# Altium PCB FOB.PcbDoc
Units mm, origin at the board's own origin, x right, y up, seen from the top; angles counter-clockwise.
Board outline 54.5 x 46.1 mm, 2 copper layers (Top Layer, Bottom Layer); 50 components, 55 nets, 221 pads, 214 vias.
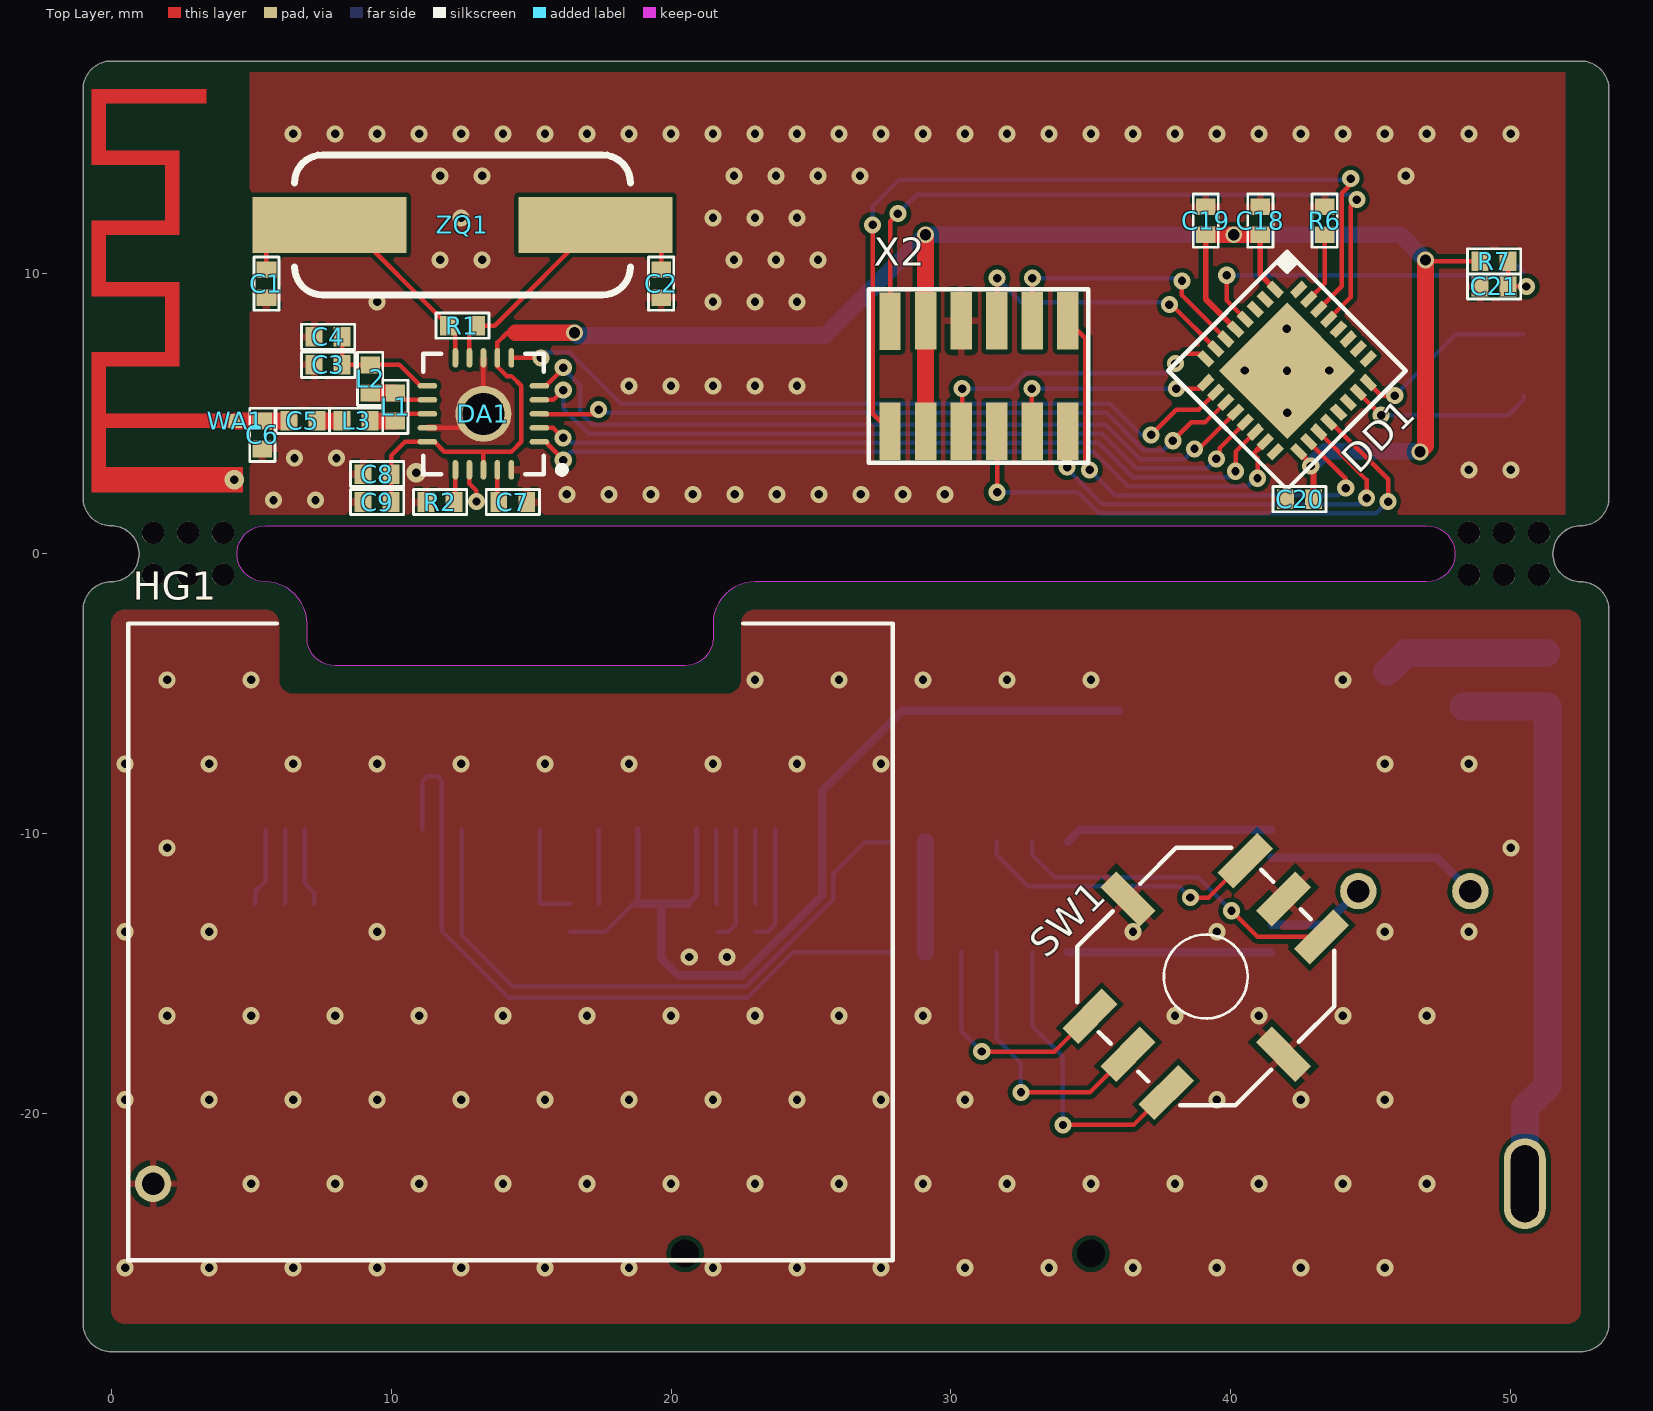
[diagram p0: Top Layer view]
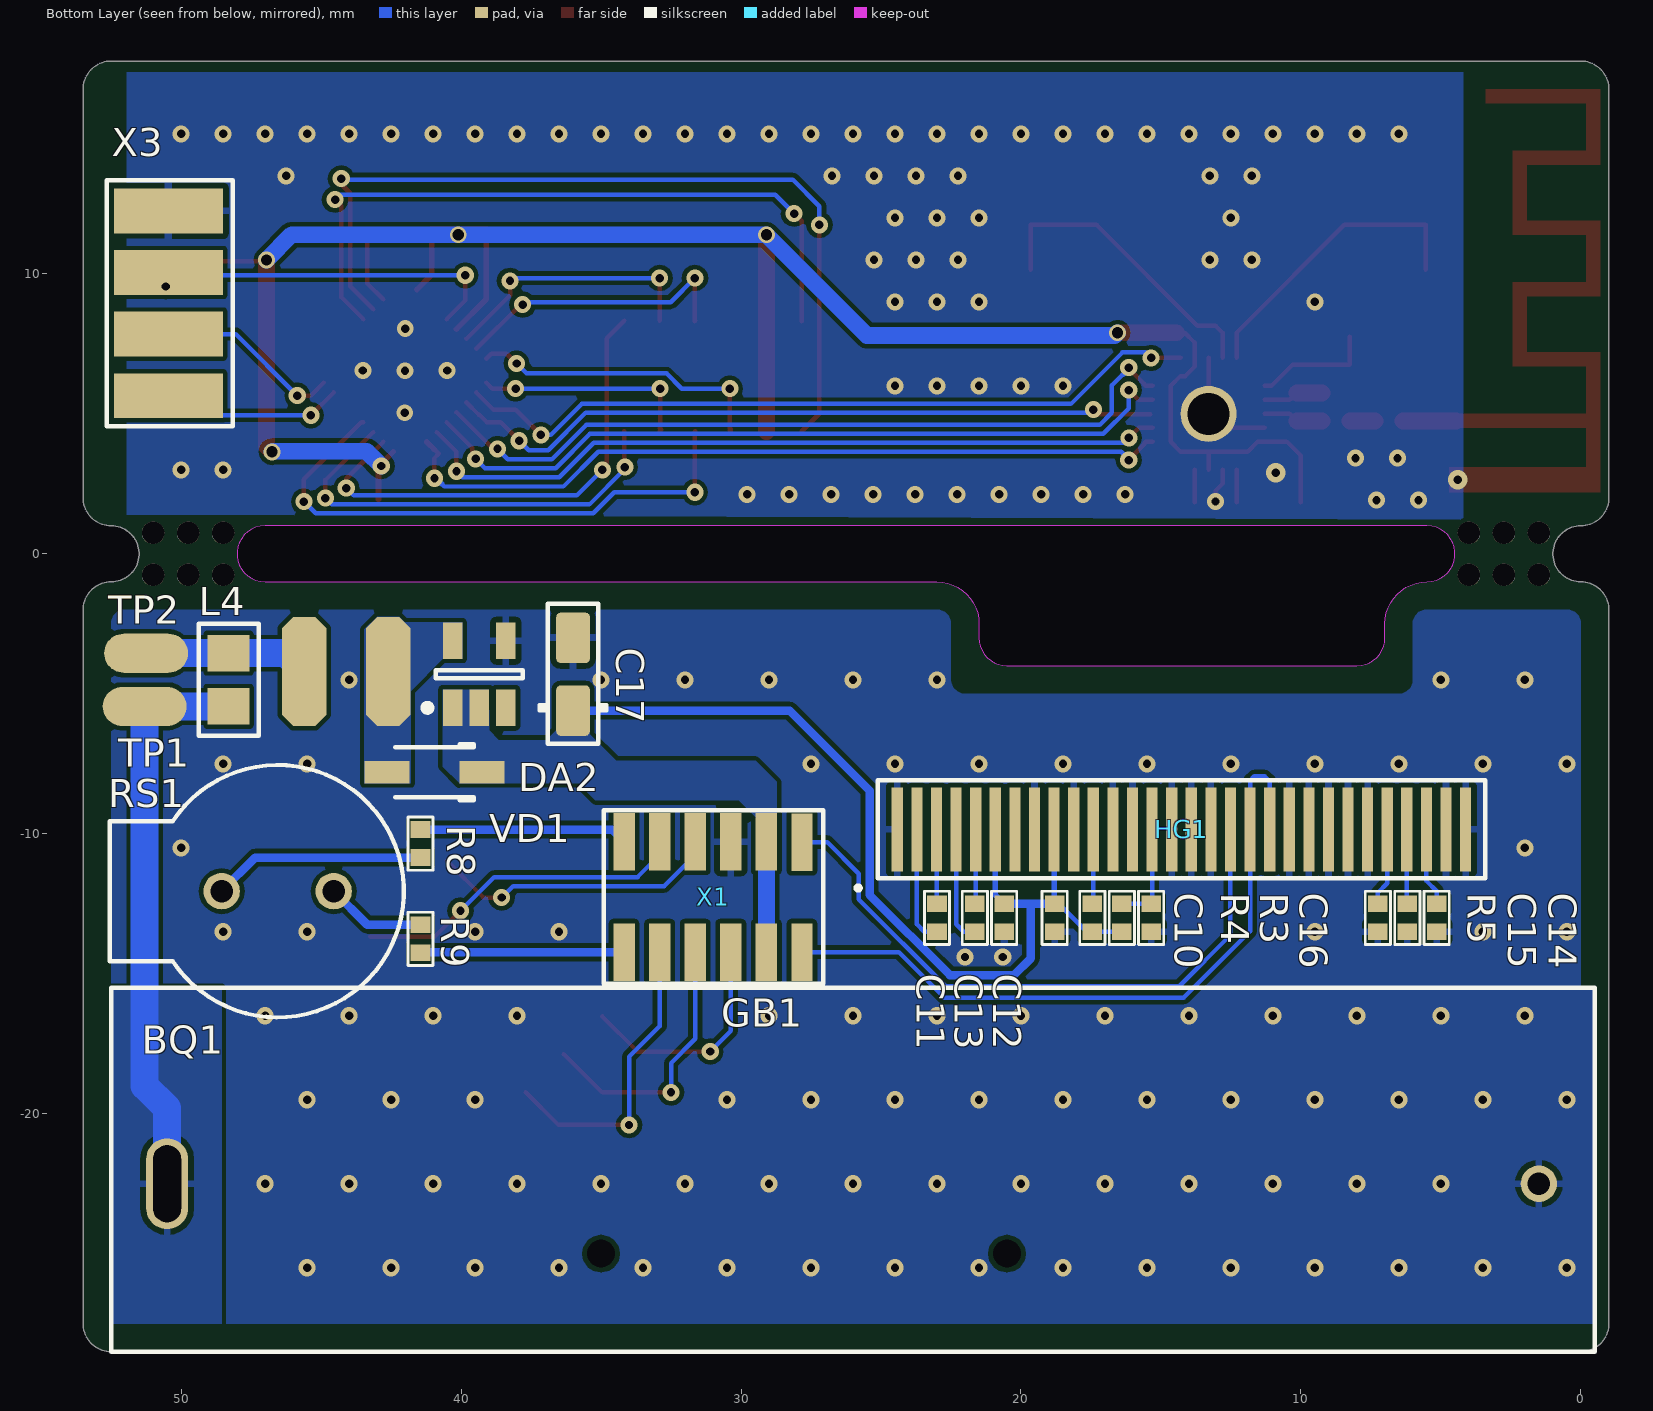
[diagram p1: Bottom Layer view, seen from below]
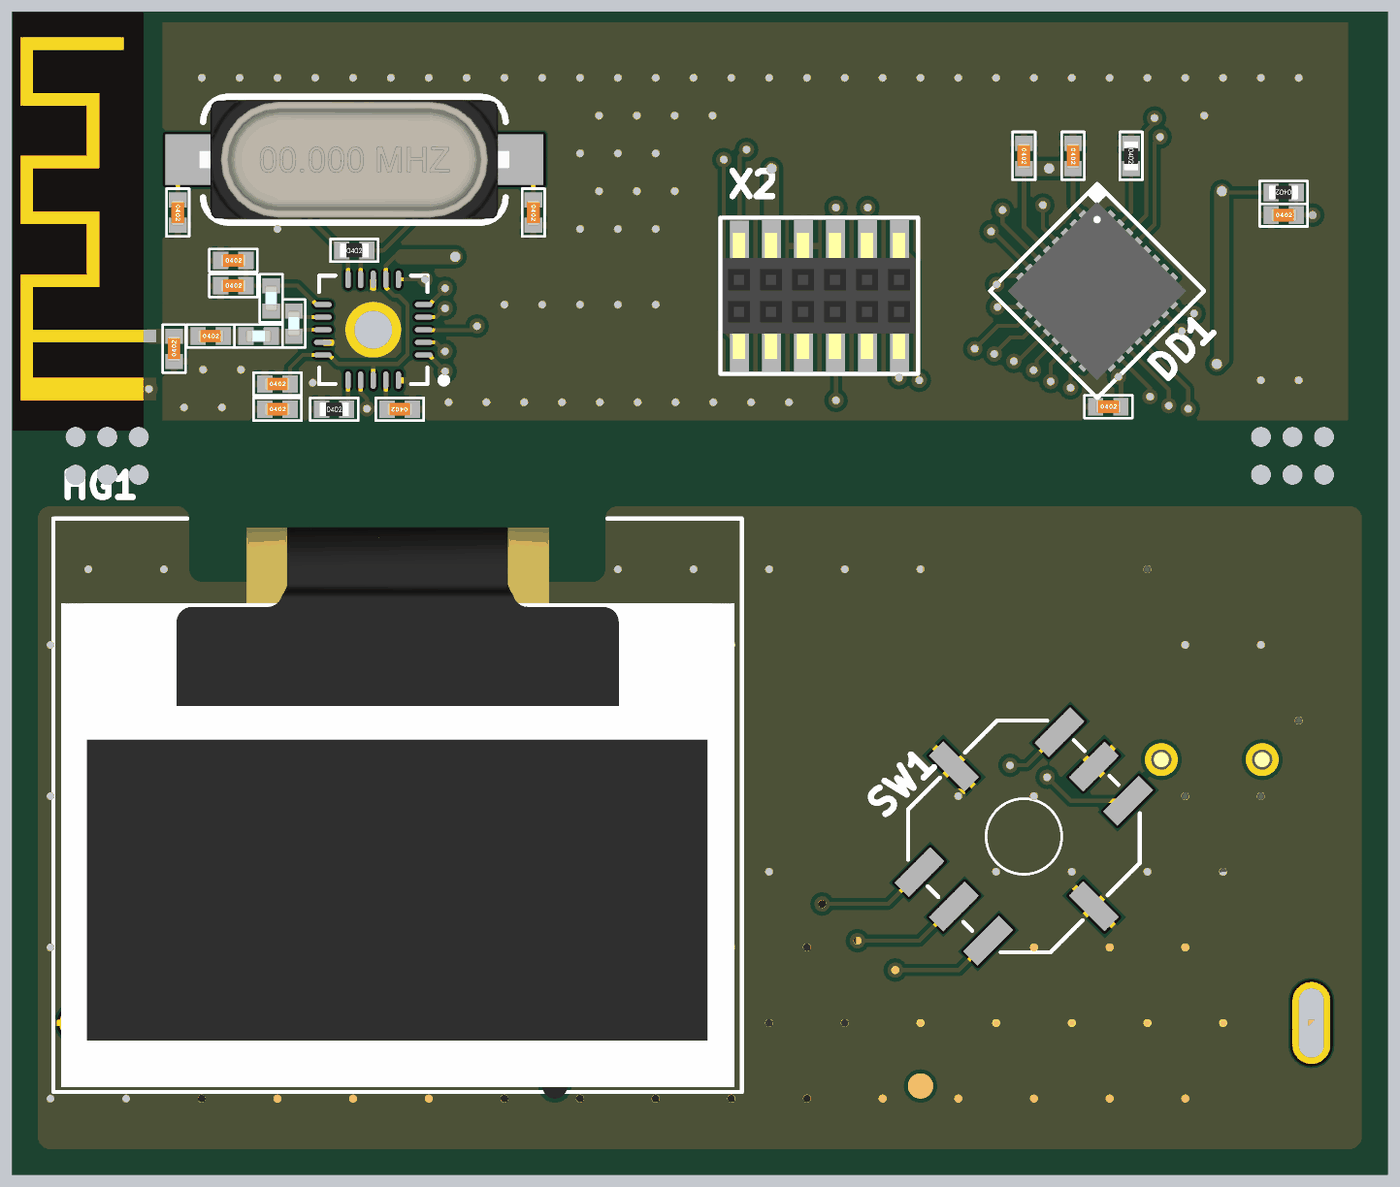
[diagram p2: 3D render of the assembled board from above, using the file's embedded part models]
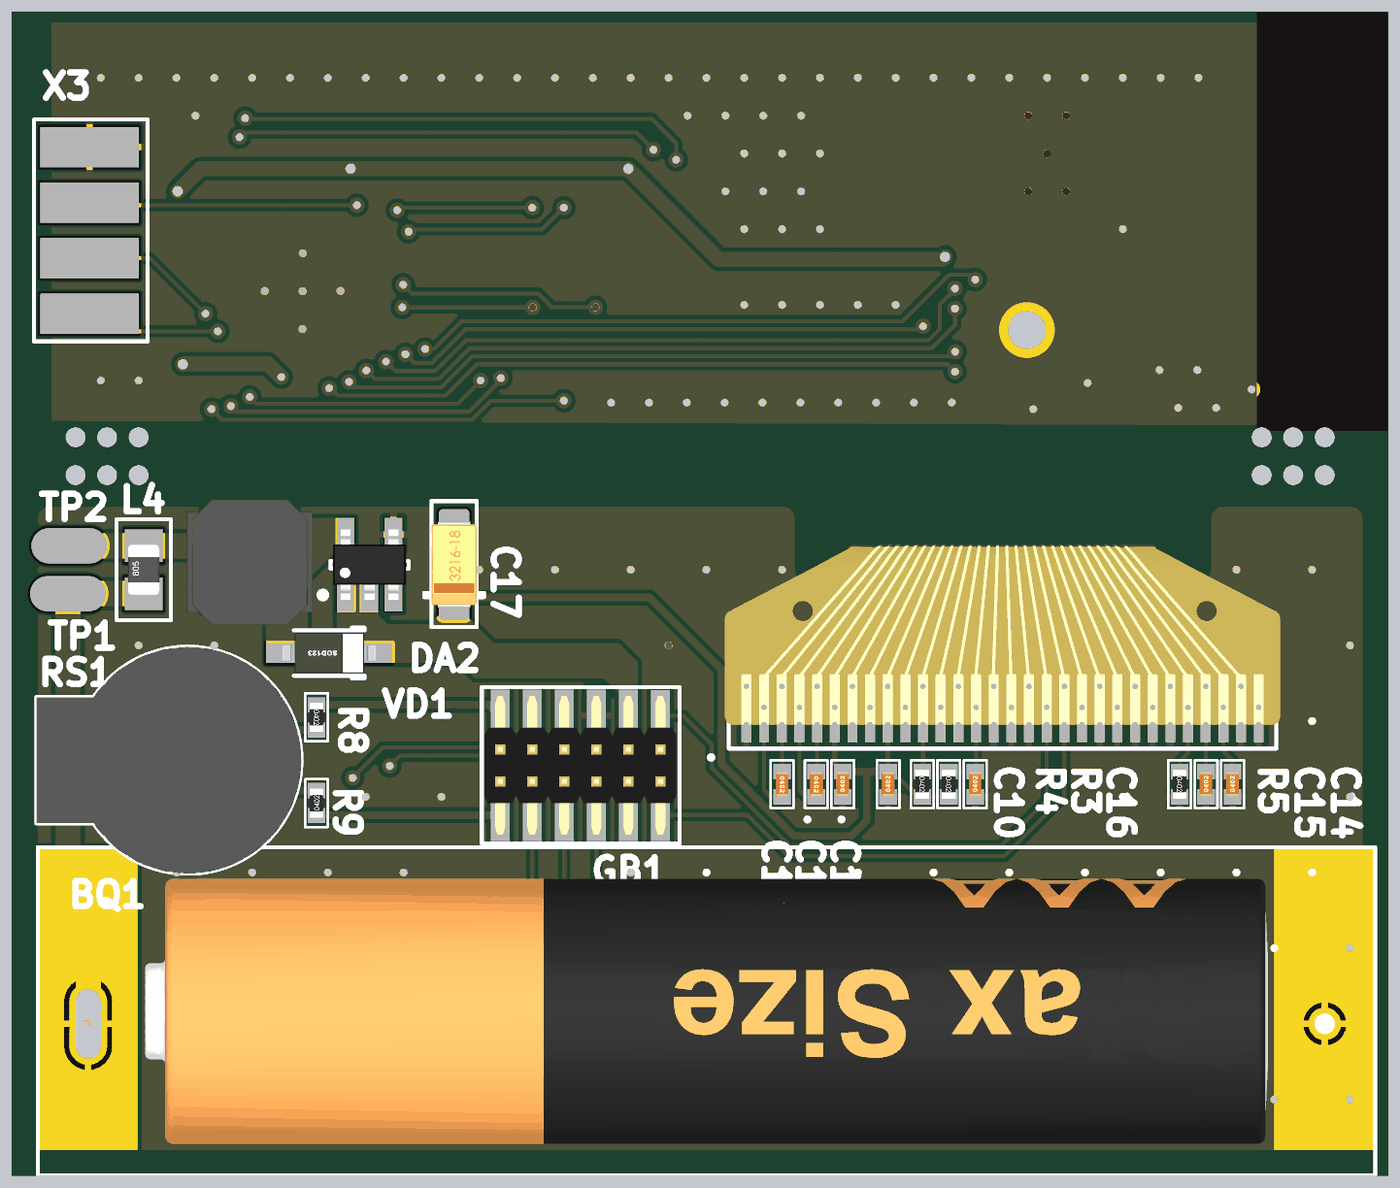
[diagram p3: 3D render of the assembled board from below, using the file's embedded part models]

## Layer stack, top to bottom
Top Solder: solder mask 0.0102, Solder Resist, Dk 3.5
Top Layer: signal copper 0.0356
Dielectric 1: dielectric 0.32, FR-4, Dk 4.8
Bottom Layer: signal copper 0.0356
Bottom Solder: solder mask 0.0102, Solder Resist, Dk 3.5

## Board outline
0,-28.5 cw(c0,-27.5) -1,-27.5 -1,-2 cw(c0,-2) 0,-1 ccw(c0,0) 0,1 cw(c0,2) -1,2 -1,16.6 cw(c0,16.6) 0,17.6 52.5,17.6 cw(c52.5,16.6) 53.5,16.6 53.5,2 cw(c52.5,2) 52.5,1 ccw(c52.5,0) 52.5,-1 cw(c52.5,-2) 53.5,-2 53.5,-27.5 cw(c52.5,-27.5) 52.5,-28.5
cut-out: 7,-3 7,-2.5 ccw(c5.5,-2.5) 5.5,-1 cw(c5.5,0) 5.5,1 47,1 cw(c47,0) 47,-1 23,-1 ccw(c23,-2.5) 21.5,-2.5 21.5,-3 cw(c20.5,-3) 20.5,-4 8,-4 cw(c8,-3)

## Design rules (kind name [scope] priority, off if disabled: settings)
Clearance [All] p1: gap=0.16 ignorepadtopadclearanceinfootprint=FALSE except(0: Arc-Hole Track-Hole SMDPad-Hole THPad-Hole Via-Hole Fill-Hole Poly-Hole Region-Hole Text-Hole)
ComponentClearance [All] p1: gap=0.254 collisioncheckmode=3 verticalgap=0.1 showdistances=FALSE
HoleSize [All] p1: absolutevalues=TRUE maxlimit=3 minlimit=0.025 maxpercent=80.000 minpercent=20.000
MinimumSolderMaskSliver [All] p1: minsoldermaskwidth=0
PolygonConnect PolygonConnect_Direct [((InComponent('DA1') and HasRoundHole) or IsVia) or InNet('SW')or InNet('VCC1')] p1: connectstyle=Direct reliefconductorwidth=0.254 reliefentries=4 polygonreliefangle="90 Angle" airgapwidth=0.254
PolygonConnect [All] p2: connectstyle=Relief reliefconductorwidth=0.254 reliefentries=4 polygonreliefangle="90 Angle" airgapwidth=0.2
RoutingVias [All] p1: holewidth=0.3 width=0.61 viastyle="Through Hole" minholewidth=0.3 minwidth=0.61 maxholewidth=1 maxwidth=1.5
ShortCircuit ShortCircuit_1 [InNet('NetC5_1') vs InNet('GND2')] p1: allowed=TRUE
ShortCircuit [All] p2: allowed=FALSE
SilkToSilkClearance [All] p1: silktosilkclearance=0
SilkToSolderMaskClearance [IsPad] p1: minsilkscreentomaskgap=0 clearancetoexposedcopper=TRUE
SolderMaskExpansion [All] p1: expansion=0.102
Width [All] p1: maxlimit=3 minlimit=0.16 preferedwidth=0.16 minimp=50.000000 maximp=50.000000 favimp=50.000000
24 further rules are at their usual default settings.

## Classes and differential pairs
component class U_Display: C10 C11 C12 C13 C14 C15 C16 HG1 R3 R4 R5
component class U_Radio: C1 C2 C3 C4 C5 C6 C7 C8 C9 DA1 L1 L2 L3 R1 R2 WA1 ZQ1
component class "U_Btn and beeper": BQ1 SW1
component class U_Power: C17 DA2 GB1 L4 RS1 TP1 TP2 VD1
component class U_MCU: C18 C19 C20 C21 DD1 R6 R7 X3
component class FOB: R8 R9 X1 X2

## Components (designator, comment, footprint, x,y, rotation, side; value= is the part's Value field where it differs from the comment)
BQ1 "TFM-25B" CST-931RP-A 46.55,-12.05 r270 bottom
C1 "Конденсатор" CHIP_0402_C 5.55,9.65 r270 top value=22pF
C2 "Конденсатор" CHIP_0402_C 19.65,9.65 r270 top value=22pF
C3 "Конденсатор" CHIP_0402_C 7.75,6.75 r0 top value=2.2nF
C4 "Конденсатор" CHIP_0402_C 7.75,7.75 r0 top value=4.7pF
C5 "Конденсатор" CHIP_0402_C 6.85,4.75 r0 top value=1.5pF
C6 "Конденсатор" CHIP_0402_C 5.4,4.25 r90 top value=1pF
C7 "Конденсатор" CHIP_0402_C 14.35,1.85 r180 top value=0.033
C8 "Конденсатор" CHIP_0402_C 9.5,2.85 r0 top value=1nF
C9 "Конденсатор" CHIP_0402_C 9.5,1.85 r0 top value=0.01
C10 "Конденсатор" CHIP_0402_C 18.8,-13 r90 bottom value=2.2uF
C11 "Конденсатор" CHIP_0402_C 23,-13 r270 bottom value=1uF
C12 "Конденсатор" CHIP_0402_C 20.6,-13 r90 bottom value=2.2uF
C13 "Конденсатор" CHIP_0402_C 21.65,-13 r270 bottom value=1uF
C14 "Конденсатор" CHIP_0402_C 5.15,-13 r90 bottom value=2.2uF
C15 "Конденсатор" CHIP_0402_C 6.2,-13 r90 bottom value=4.7uF
C16 "Конденсатор" CHIP_0402_C 15.35,-13 r90 bottom value=0.1uF
C17 "33uF" CAP_TYPE_A 36,-4.3 r90 bottom
C18 "Конденсатор" CHIP_0402_C 41.05,11.9 r270 top value=0.1uF
C19 "Конденсатор" CHIP_0402_C 39.1,11.9 r270 top value=0.1uF
C20 "Конденсатор" CHIP_0402_C 42.45,1.95 r0 top value=0.1uF
C21 "Конденсатор" CHIP_0402_C 49.4,9.55 r0 top value=0.1uF
DA1 "nRF24L01+" "QFN-20 - DIY" 13.3,5 r180 top
DA2 "NCP1400A" SOT23-5 39.35,-4.3 r90 bottom
DD1 "STM32F0xx_32" UFQFPN32 42.003,6.543 r225 top
GB1 "Battery" "AAA Holder_1" 26,-22 r0 bottom
HG1 "OLED 0,96" "OLED 0.96" 14.267,-15.438 r180 top
L1 "Дроссель" CHIP_0402_L 10.15,5.25 r270 top value=8.2nH
L2 "Дроссель" CHIP_0402_L 9.25,6.25 r270 top value=2.7nH
L3 "Дроссель" CHIP_0402_L 8.75,4.75 r0 top value=3.9nH
L4 "Value" SRN5040 44.1,-4.2 r270 bottom
R1 "Резистор" CHIP_0402_R 12.55,8.15 r0 top value=1M
R2 "Резистор" CHIP_0402_R 11.75,1.85 r0 top value=22k
R3 "Резистор" CHIP_0402_R 16.4,-13 r270 bottom value=1k
R4 "Резистор" CHIP_0402_R 17.45,-13 r270 bottom value=1k
R5 "Резистор" CHIP_0402_R 7.25,-13 r270 bottom value=390k
R6 "Резистор" CHIP_0402_R 43.35,11.9 r270 top
R7 "Резистор" CHIP_0402_R 49.4,10.45 r180 top
R8 "Резистор" CHIP_0402_R 41.45,-10.35 r270 bottom
R9 "Резистор" CHIP_0402_R 41.45,-13.75 r90 bottom
RS1 "Резистор" CHIP_0805_R 48.3,-4.5 r90 bottom
SW1 "Joystick" jOYSTICK_sam 39.1,-15.1 r270 top
TP1 "TEST_POINT" Pad_1 51.3,-5.45 r0 bottom
TP2 "TEST_POINT" Pad_1 51.25,-3.55 r0 bottom
VD1 "STPS0520Z" SOD123 40.95,-7.8 r0 bottom
WA1 "Antenna" "ANTENNA PCB 2.4" 4.7,2.2 r90 top net-tie
X1 "PLD-12" "PLD1.27-12 SMD" 31,-12.255 r0 bottom
X2 "PBD-12" "PBD1.27-12 SMD" 31,6.35 r0 top
X3 "SWD for STM32" "STM32 SWD-4" 50.45,8.95 r90 bottom
ZQ1 "16 MHz" HC-49SM 12.55,11.75 r0 top

## Footprints (in the part's own frame and the unit in brackets; to place one, negate y for a bottom-side part, rotate by r counter-clockwise, add the part's x,y. Pads: shape width x height; smd on the part's side, far side on the other; paste and mask are expansions set on the pad)
"AAA Holder_1" [mm]
  oval 1.5x3.25 hole 1 slot 2.75 at 90 deg: +(24.5,0.5)
  round 1.3 hole 0.8: -(-24.5,0.5)
  round 0 hole 1 unplated paste+0 mask+0: MH(-5.5,3) MH(9,3)
  silkscreen extent -26.5,-6.5 26.5,6.5, body extent -22.25,-5.25 22.25,5.25, height 11.25
"ANTENNA PCB 2.4" [mm]
  rect 0.5x0.5 smd paste+0 mask+0: 1(2.55,0.25)
  Top Layer region: 0,0 0.9,0 0.9,4.9 2.3,4.9 2.3,0 2.8,0 2.8,4.9 4.5,4.9 4.5,2.26 7.5,2.26 7.5,4.9 9.2,4.9 9.2,2.26 12.2,2.26 12.2,4.9 13.9,4.9 13.9,1.3 14.4,1.3 14.4,5.4 11.7,5.4 11.7,2.76 9.7,2.76 9.7,5.4 7,5.4 7,2.76 5,2.76 5,5.4 0,5.4
  Top Layer pour cut-out: -0.5,0.5 14.7,0.5 14.7,5.7 -0.5,5.7
  Bottom Layer pour cut-out: -0.5,0.5 14.7,0.5 14.7,5.7 -0.5,5.7
CAP_TYPE_A [mm] "Capacitor, polarized, Molded Body, EIA 535BAAC size A; 3.20mm L X 1.60mm W X 1.80mm H"
  round 0.508 on Mech14: 0(0,0)
  rrect25% 1.8x1.2 smd: 1(-1.3,0) 2(1.3,0)
  silkscreen extent -2.47,-1.2 2.52,1.2, body extent -1.7,-0.9 1.7,0.9, height 1.8
CHIP_0402_C [mm]
  rect 0.6x0.7 smd paste+0 mask+0: 1(-0.5,0) 2(0.5,0)
  silkscreen extent -0.95,-0.45 0.95,0.45, body extent -0.51,-0.25 0.51,0.25, height 0.51
CHIP_0402_L [mm]
  rect 0.6x0.7 smd paste+0 mask+0: 1(-0.5,0) 2(0.5,0)
  silkscreen extent -0.95,-0.45 0.95,0.45, body extent -0.5,-0.25 0.5,0.25, height 0.5
CHIP_0402_R [mm]
  rect 0.6x0.7 smd paste+0 mask+0: 1(-0.5,0) 2(0.5,0)
  silkscreen extent -0.95,-0.45 0.95,0.45, body extent -0.58,-0.27 0.57,0.28, height 0.41
CHIP_0805_R [mm]
  rect 1.3x1.5 smd: 1(-0.95,0) 2(0.95,0)
  silkscreen extent -2,-1.07 2,1.07, body extent -1,-0.63 1,0.63, height 0.78
CST-931RP-A [mm]
  round 1.3 hole 0.8 paste+0 mask+0: 1(0,2) 2(0,-2)
  silkscreen extent -4.51,-6 4.51,4.5, body extent -4.5,-6 4.5,4.5, height 4.5
HC-49SM [mm]
  rect 5.5x2 smd paste+0 mask+0.1: 1(-4.75,0) 2(4.75,0)
  silkscreen extent -6,-2.5 6,2.5, body extent -6.15,-2.35 6.15,2.35, height 4.36
jOYSTICK_sam [mm]
  rect 0.8x2 smd rot 45: 1(-1.414,4.137) 2(1.414,-4.137) 3(-4.137,1.414) 4(4.137,-1.414) 5(2.775,-2.775) 6(-2.775,2.775)
  rect 0.8x2 smd rot 135: 6(-2.775,-2.775) 6(2.775,2.775)
  silkscreen extent -4.6,-4.6 4.6,4.6
"OLED 0.96" [mm]
  rect 0.4x3 smd far side paste+0 mask+0: 1(-10.15,-5.6) 2(-9.45,-5.6) 3(-8.75,-5.6) 4(-8.05,-5.6) 5(-7.35,-5.6) 6(-6.65,-5.6) 7(-5.95,-5.6) 8(-5.25,-5.6) 9(-4.55,-5.6) 10(-3.85,-5.6) 11(-3.15,-5.6) 12(-2.45,-5.6) 13(-1.75,-5.6) 14(-1.05,-5.6) 15(-0.35,-5.6) 16(0.35,-5.6) 17(1.05,-5.6) 18(1.75,-5.6) 19(2.45,-5.6) 20(3.15,-5.6) 21(3.85,-5.6) 22(4.55,-5.6) 23(5.25,-5.6) 24(5.95,-5.6) 25(6.65,-5.6) 26(7.35,-5.6) 27(8.05,-5.6) 28(8.75,-5.6) 29(9.45,-5.6) 30(10.15,-5.6)
  silkscreen extent -13.65,-12.95 13.65,9.8, body extent -13.35,-12.62 13.35,9.6, height 3.12
Pad_1 [mm]
  oval 3x1.4 smd paste+0 mask+0.1: 1(0,0)
"PBD1.27-12 SMD" [mm]
  rect 0.76x2.05 smd paste+0 mask+0: 1(-3.175,1.955) 2(-3.175,-1.975) 3(-1.905,1.975) 4(-1.905,-1.975) 5(-0.635,1.975) 6(-0.635,-1.975) 7(0.635,1.975) 8(0.635,-1.975) 9(1.905,1.975) 10(1.905,-1.975) 11(3.175,1.975) 12(3.175,-1.975)
  silkscreen extent -3.94,-3.1 3.9,3.1, body extent -3.84,-2.5 3.78,2.5, height 4.5
"PLD1.27-12 SMD" [mm]
  rect 0.76x2.05 smd paste+0 mask+0: 1(-3.175,-1.955) 2(-3.175,1.975) 3(-1.905,-1.975) 4(-1.905,1.975) 5(-0.635,-1.975) 6(-0.635,1.975) 7(0.635,-1.975) 8(0.635,1.975) 9(1.905,-1.975) 10(1.905,1.975) 11(3.175,-1.975) 12(3.175,1.975)
  silkscreen extent -3.94,-3.1 3.9,3.1, body extent -3.81,-2.75 3.81,2.75, height 6.41
"QFN-20 - DIY" [mm] "QFN, 20-Leads, Body 4,00x4,00mm, Pitch 0,50mm, Thermal Pad 2,60x2,60mm, IPC Medium Density"
  oval 0.7x0.2 smd: 1(-2,1) 2(-2,0.5) 3(-2,0) 4(-2,-0.5) 5(-2,-1) 11(2,-1) 12(2,-0.5) 13(2,0) 14(2,0.5) 15(2,1)
  oval 0.2x0.7 smd: 6(-1,-2) 7(-0.5,-2) 8(0,-2) 9(0.5,-2) 10(1,-2) 16(1,2) 17(0.5,2) 18(0,2) 19(-0.5,2) 20(-1,2)
  round 2 hole 1.5 paste+0: EP(0,0)
  silkscreen extent -2.93,-2.15 2.15,2.15, body extent -2,-2 2,2, height 0.9
SOD123 [mm] "по IPC-SM-782A"
  rect 1.6x0.8 smd: A(1.7,0) K(-1.7,0)
  silkscreen extent -1.4,-1 1.4,1, body extent -1.85,-0.8 1.85,0.8, height 1.27
SOT23-5 [mm] "SOT23, 5-Leads, Body 2.9x1.7mm, Pitch 0.95mm, Lead Span 2.8mm, IPC Low Density"
  rect 1.3x0.7 smd mask+0.05: 1(-1.2,0.95) 2(-1.2,0) 3(-1.2,-0.95) 4(1.2,-0.95) 5(1.2,0.95)
  silkscreen extent -1.32,-1.55 0.15,1.98, body extent -1.4,-1.45 1.4,1.45, height 1.45
SRN5040 [mm] "Inductor, SMD"
  oct 3.9x1.6 smd: 1(0,-1.5) 2(0,1.5)
  body extent -2.5,-2.5 2.5,2.5, height 4
"STM32 SWD-4" [mm]
  rect 1.6x3.9 smd: 1(-3.3,0) 2(-1.1,0) 3(1.1,0) 4(3.3,0)
  silkscreen extent -4.4,-2.3 4.4,2.2
UFQFPN32 [mm]
  rect 0.3x0.6 smd paste+0 mask+0: 1(-1.75,-2.35) 2(-1.25,-2.35) 3(-0.75,-2.35) 4(-0.25,-2.35) 5(0.25,-2.35) 6(0.75,-2.35) 7(1.25,-2.35) 8(1.75,-2.35) 17(1.75,2.35) 18(1.25,2.35) 19(0.75,2.35) 20(0.25,2.35) 21(-0.25,2.35) 22(-0.75,2.35) 23(-1.25,2.35) 24(-1.75,2.35)
  rect 0.6x0.3 smd paste+0 mask+0: 9(2.35,-1.75) 10(2.35,-1.25) 11(2.35,-0.75) 12(2.35,-0.25) 13(2.35,0.25) 14(2.35,0.75) 15(2.35,1.25) 16(2.35,1.75) 25(-2.35,1.75) 26(-2.35,1.25) 27(-2.35,0.75) 28(-2.35,0.25) 29(-2.35,-0.25) 30(-2.35,-0.75) 31(-2.35,-1.25) 32(-2.35,-1.75)
  rect 3.45x3.45 smd paste+0 mask+0: 33(0,0)
  silkscreen extent -3,-3 3,3, body extent -2.5,-2.5 2.5,2.5, height 0.55

## Part data
BQ1: library part "Пьезоизлучатель TFM-25B", PartNumber=CST-931RP-A
C1 C2: PartNumber=CC0402JRNPO9BN220, Mfg=YAGEO
C3: PartNumber=GRM155R71H222KA01D, Mfg=MURATA
C4: PartNumber=CC0402BRNPO9BN4R7, Mfg=YAGEO
C5: PartNumber=CC0402CRNPO9BN1R5, Mfg=YAGEO
C6: PartNumber=CC0402BRNPO9BNR50, Mfg=YAGEO
C7: PartNumber=CC0402KRX7R7BB333, Mfg=YAGEO
C8: PartNumber=CC0402JRNPO9BN102, Mfg=YAGEO
C9: PartNumber=CC0402KRX7R9BB103, Mfg=YAGEO
C10 C12 C14: PartNumber=GRM155R61A225KE95D, Mfg=MURATA
C11 C13: PartNumber=CC0402KRX5R5BB105, Mfg=YAGEO
C15: PartNumber=GRM155R60J475ME87D, Mfg=MURATA
C16: PartNumber=CC0402KRX7R7BB104, Mfg=YAGEO
C17: library part C_POL, "Конденсатор полярный", PartNumber=T491A336K006AT
DA1: "RF, 2.4 GHz Transceiver", Mfg="NORDIC SEMI", PartNumber=nRF24L01+
DA2: "PSIC, Low-Power Step-Up Converter", Mfg=ONS, PartNumber=NCP1400A
DD1: "MCU, 32-leaded", PartNumber=STM32F051K8U6, Mfg=ST
HG1: "OLED, Serial, 0.96\""
L1: PartNumber=LQW15AN8N2G00D, Mfg=MURATA
L2: PartNumber=LQG15HS27NJ02D, Mfg=MURATA
L3: PartNumber=LQG15HN3N9S02D, Mfg=MURATA
L4: library part Ind_core, "Дроссель с сердечником", PartNumber=VLCF4028T-220MR72-2, Mfg=TDK
R1: PartNumber=RC0402FR-071ML, Mfg=YAGEO
R2: PartNumber=RC0402FR-0722KL, Mfg=YAGEO
R3 R4: PartNumber=RC0402FR-071KL, Mfg=YAGEO
R5: PartNumber=RC0402FR-07390KL, Mfg=YAGEO
SW1: "Joystick, 4-dir+push"
VD1: library part Diode, "Диод", Mfg=ST, PartNumber=STPS0520Z
X3: library part SWD_STM32, "Конт. площадки для подключения SWD"
ZQ1: library part XTAL_2pin, "Осциллятор, 2 вывода", Type=MG3A

## Free pads (board coordinates)
  round 0.8 hole 0.8 unplated paste+0: MB(1.5,-0.75) MB(1.5,0.75) MB(2.75,-0.75) MB(2.75,0.75) MB(4,-0.75) MB(4,0.75) MB(48.5,-0.75) MB(48.5,0.75) MB(49.75,-0.75) MB(49.75,0.75) MB(51,-0.75) MB(51,0.75)

## Via types
v1: diameter 0.61, hole 0.3, Top Layer to Bottom Layer, tented both sides, 202 vias
v2: diameter 0.6, hole 0.3, Top Layer to Bottom Layer, tented both sides, 5 vias
v3: diameter 0.6, hole 0.4, Top Layer to Bottom Layer, tented both sides, 4 vias
v4: diameter 0.7, hole 0.3, Top Layer to Bottom Layer, tented both sides, 2 vias
v5: diameter 0.61, hole 0.4, Top Layer to Bottom Layer, tented both sides, 1 vias

## Nets (pads, with @x,y where several pads share a name; then routed paths per layer and width w, separated by ;. In a path a pad name is that pad's centre, name@x,y a point inside that pad or via, vN(x,y) a via of type N, cw(c..) or ccw(c..) an arc to the next point about the centre after c; other vN are vias at no path point)
ANT1: DA1.12 L1.1 L2.2 | length 2.2
  Top Layer w0.16: L1.1 10.4,5.5 DA1.12
  Top Layer w0.6: L2.2 L1.1
ANT2: DA1.13 L1.2 L3.2 | length 2.2
  Top Layer w0.16: L1.2 10.4,5 DA1.13
  Top Layer w0.6: L3.2 L1.2
GND1: C10.1 C12.1 C14.1 C15.1 C16.1 C17.2 DA2.4 GB1.- HG1.1 HG1.8 HG1.10 HG1.12 HG1.13 HG1.15 HG1.16 HG1.17 HG1.21 HG1.22 HG1.23 HG1.24 HG1.25 HG1.29 HG1.30 R5.2 SW1.6 X1.5
  other v1: 0.5,-25.5 3.5,-25.5 6.5,-25.5 9.5,-25.5 12.5,-25.5 15.5,-25.5 18.5,-25.5 21.5,-25.5 24.5,-25.5 27.5,-25.5 30.5,-25.5 33.5,-25.5 36.5,-25.5 39.5,-25.5 42.5,-25.5 45.5,-25.5 5,-22.5 8,-22.5 11,-22.5 14,-22.5 17,-22.5 20,-22.5 23,-22.5 26,-22.5 29,-22.5 32,-22.5 35,-22.5 38,-22.5 41,-22.5 44,-22.5 47,-22.5 0.5,-19.5 3.5,-19.5 6.5,-19.5 9.5,-19.5 12.5,-19.5 15.5,-19.5 18.5,-19.5 21.5,-19.5 24.5,-19.5 27.5,-19.5 30.5,-19.5 39.5,-19.5 42.5,-19.5 45.5,-19.5 2,-16.5 5,-16.5 8,-16.5 11,-16.5 14,-16.5 17,-16.5 20,-16.5 23,-16.5 26,-16.5 29,-16.5 38,-16.5 41,-16.5 44,-16.5 47,-16.5 20.65,-14.4 22,-14.4 0.5,-13.5 3.5,-13.5 9.5,-13.5 36.5,-13.5 39.5,-13.5 45.5,-13.5 48.5,-13.5 2,-10.5 50,-10.5 0.5,-7.5 3.5,-7.5 6.5,-7.5 9.5,-7.5 12.5,-7.5 15.5,-7.5 18.5,-7.5 21.5,-7.5 24.5,-7.5 27.5,-7.5 45.5,-7.5 48.5,-7.5 2,-4.5 5,-4.5 23,-4.5 26,-4.5 29,-4.5 32,-4.5 35,-4.5 44,-4.5
GND2: C1.2 C2.2 C3.1 C4.1 C6.1 C7.1 C8.1 C9.1 C18.1 C19.1 C20.1 C21.1 DA1.8 DA1.14 DA1.17 DA1.20 DA1.EP DD1.33 R2.1 R6.1 X2.5 X3.4 | length 6.2
  Top Layer w0.16: DA1.14 DA1.EP@12.75,4.5 ; DA1.17 12.8,2.5 13.05,2.25 v1(13.05,1.868) ; DA1.EP@12.8,4.5 DA1.EP ; DA1.8 DA1.EP ; DA1.EP@13.85,4.45 DA1.EP
  other v1: 5.8,1.921 7.3,1.921 16.282,2.123 17.782,2.123 19.282,2.123 20.782,2.123 22.282,2.123 23.782,2.123 25.282,2.123 26.782,2.123 28.282,2.123 29.782,2.123 48.5,3 50,3 6.55,3.421 8.05,3.421 18.5,6 20,6 21.5,6 23,6 24.5,6 9.5,9 21.5,9 23,9 24.5,9 11.75,10.5 13.25,10.5 22.25,10.5 23.75,10.5 25.25,10.5 12.5,12 21.5,12 23,12 24.5,12 11.75,13.5 13.25,13.5 22.25,13.5 23.75,13.5 25.25,13.5 26.75,13.5 46.25,13.5 6.5,15 8,15 9.5,15 11,15 12.5,15 14,15 15.5,15 17,15 18.5,15 20,15 21.5,15 23,15 24.5,15 26,15 27.5,15 29,15 30.5,15 32,15 33.5,15 35,15 36.5,15 38,15 39.5,15 41,15 42.5,15 44,15 45.5,15 47,15 48.5,15 50,15
  other v2: 42.01,5.04 42.003,6.543 40.5,6.55 43.505,6.55 41.996,8.046
  other v4: 4.4,2.65 10.9,2.9
NetBQ1_1: BQ1.1 R9.2 | length 3.6
  Bottom Layer w0.3: R9.2 43.35,-13.25 BQ1.1
NetBQ1_2: BQ1.2 R8.2 | length 7.6
  Bottom Layer w0.3: R8.2 47.35,-10.85 BQ1.2
NetC3_2: C3.2 C4.2 DA1.11 L2.1 | length 4.4
  Top Layer w0.16: C4.2 C3.2 L2.1 10.3,6.75 11.05,6 DA1.11
NetC5_1: C5.1 C6.2 WA1.1 | length 1.9
  Top Layer w0.6: WA1.1 C6.2 C5.1
NetC5_2: C5.2 L3.1 | length 0.9
  Top Layer w0.6: C5.2 L3.1
NetC7_2: C7.2 DA1.19 | length 1.2
  Top Layer w0.16: C7.2@13.8,1.85 DA1.19
NetC11_1: C11.1 HG1.3 | length 2.7
  Bottom Layer w0.16: C11.1 23,-9.855 HG1.3
NetC11_2: C11.2 HG1.2 | length 4.2
  Bottom Layer w0.16: C11.2 23.45,-13.5 23.717,-13.233 HG1.2
NetC13_1: C13.1 HG1.5 | length 2.7
  Bottom Layer w0.16: HG1.5 21.617,-12.467 C13.1
NetC13_2: C13.2 HG1.4 | length 4.2
  Bottom Layer w0.16: C13.2 22.05,-13.5 22.317,-13.233 HG1.4
NetC14_2: C14.2 HG1.28 | length 2.8
  Bottom Layer w0.16: C14.2 5.15,-12.05 5.517,-11.683 HG1.28
NetC15_2: C15.2 HG1.27 | length 2.7
  Bottom Layer w0.16: C15.2 6.217,-12.483 HG1.27
NetC16_2: C16.2 HG1.14 R3.1 | length 3.7
  Bottom Layer w0.16: HG1.14 15.317,-12.467 C16.2 R3.1
NetDD1_6: DD1.6 X2.9 | length 9.6
  Top Layer w0.16: X2.9 v1(32.905,9.85) ; v1(38.25,9.75) 38.25,9.235 DD1.6
  Bottom Layer w0.16: v1(32.905,9.85) 38.15,9.85 v1(38.25,9.75)
NetDD1_7: DD1.7 X2.7 | length 10.6
  Top Layer w0.16: X2.7 31.65,8.31 v1(31.65,9.85) ; v1(37.8,8.9) 37.878,8.9 DD1.7
  Bottom Layer w0.16: v1(31.65,9.85) 32.51,8.99 37.89,8.99 v1(37.8,8.9)
NetDD1_8: DD1.8 X2.6 | length 10.9
  Top Layer w0.16: X2.6 30.4,4.41 30.365,4.445 30.4,4.48 v1(30.4,5.902) ; v1(38.017,6.8) 38.367,7.15 38.921,7.15 DD1.8
  Bottom Layer w0.16: v1(30.4,5.902) 32.118,5.902 32.661,6.445 37.662,6.445 v1(38.017,6.8)
NetDD1_9: DD1.9 X2.10 | length 7.9
  Top Layer w0.16: v1(32.886,5.9) 32.886,4.494 32.9,4.48 32.85,4.43 X2.10 ; v1(38.053,5.9) 38.885,5.9 DD1.9
  Bottom Layer w0.16: v1(32.886,5.9) v1(38.053,5.9)
NetDD1_18: DD1.18 X2.11 | length 17.6
  Top Layer w0.16: X2.11 34.8,7.7 34.8,3 v1(34.95,3) ; DD1.18 44.1,2.678 v1(44.1,2.35)
  Bottom Layer w0.16: v1(34.95,3) 35.865,2.085 43.835,2.085 v1(44.1,2.35)
NetDD1_19: DD1.19 X2.12 | length 15.8
  Top Layer w0.16: v1(34.15,3.1) 34.177,3.1 34.175,3.102 X2.12 ; DD1.19 44.845,2.64 v1(44.845,1.99)
  Bottom Layer w0.16: v1(34.15,3.1) 34.15,3.029 35.414,1.765 44.62,1.765 v1(44.845,1.99)
NetDD1_31: DD1.31 R6.2 | length 2.5
  Top Layer w0.16: DD1.31 43.35,9.658 R6.2
NetGB1_+: GB1.+ RS1.1 TP1.1 | length 20.4
  Bottom Layer w1: RS1.1 TP1.1 51.3,-19 50.5,-19.8 GB1.+
NetHG1_11: HG1.11 R4.1 | length 2.7
  Bottom Layer w0.16: HG1.11 17.417,-12.467 R4.1
NetHG1_18: HG1.18 X1.1 | length 22.5
  Bottom Layer w0.16: HG1.18 12.517,-13.617 14.35,-15.45 22.69,-15.45 25.796,-12.344 25.796,-11.424 26.925,-10.295 27.82,-10.295 X1.1
NetHG1_19: HG1.19 HG1.20 X1.2 | length 25.6
  Bottom Layer w0.16: HG1.20 11.117,-8.133 11.3,-7.95 11.662,-7.95 11.817,-8.105 HG1.19 11.817,-13.483 14.184,-15.85 22.742,-15.85 24.367,-14.225 27.82,-14.225 X1.2
NetHG1_26: HG1.26 R5.1 | length 2.8
  Bottom Layer w0.16: HG1.26 6.917,-11.767 7.25,-12.1 R5.1
NetR8_1: R8.1 X1.11 | length 7.5
  Bottom Layer w0.3: X1.11 34.605,-9.85 R8.1
NetR9_1: R9.1 X1.12 | length 7.3
  Bottom Layer w0.3: X1.12 41.43,-14.23 R9.1
NRST: C21.2 DD1.4 R7.1 X3.3 | length 14.3
  Top Layer w0.16: v1(39.85,9.95) 39.85,9.049 DD1.4 ; R7.1 C21.2 v1(50.55,9.55)
  Bottom Layer w0.16: v1(39.85,9.95) 49.65,9.95 50.1,10.4 X3.3
PUSH: DD1.20 X2.8 | length 20.4
  Top Layer w0.16: X2.8 31.65,4.36 v1(31.65,2.2) ; DD1.20 43.569,4.704 45.615,2.659 v1(45.615,1.865)
  Bottom Layer w0.16: v1(31.65,2.2) 34.526,2.2 35.281,1.445 45.195,1.445 v1(45.615,1.865)
RADIO_CE: DA1.1 DD1.15 | length 28.3
  Top Layer w0.16: DA1.1 15.55,4 15.599,3.951 15.599,3.918 16.066,3.45 16.121,3.45 16.15,3.421 v1(16.15,3.35) ; v1(40.95,2.7) 40.95,3.423 40.8,3.573 40.95,3.722
  Top Layer w0.2: 40.95,3.722 DD1.15
  Bottom Layer w0.16: v1(16.15,3.35) 16.15,3.43 16.208,3.43 16.423,3.645 35.104,3.645 36.344,2.405 40.605,2.405 40.7,2.5
  Bottom Layer w0.2: 40.7,2.5 40.9,2.7 v1(40.95,2.7)
RADIO_IREF: DA1.16 R2.2 | length 1.1
  Top Layer w0.16: R2.2@12.3,1.85 DA1.16
RADIO_IRQ: DA1.6 DD1.10 | length 27
  Top Layer w0.16: DA1.6 v1(15.35,7) ; v1(37.15,4.25) 38.052,5.151 38.843,5.151 DD1.10
  Bottom Layer w0.16: v1(15.35,7) 15.545,7.195 16.376,7.195 18.215,5.355 35.685,5.355 36.79,4.25 v1@37.073,4.25
RADIO_MISO: DA1.5 DD1.12 | length 27.8
  Top Layer w0.16: DA1.5 15.544,6 15.605,6.061 15.605,6.076 16.15,6.621 v1(16.15,6.65) ; v1(38.7,3.75) 38.856,3.75 DD1.12
  Bottom Layer w0.16: v1(16.15,6.65) 16.121,6.621 16.347,6.395 16.376,6.395 16.756,6.014 16.756,5.04 17.191,4.605 35.53,4.605 36.755,3.38 38.33,3.38 v1(38.7,3.75)
RADIO_MOSI: DA1.4 DD1.13 | length 27.7
  Top Layer w0.16: DA1.4 15.8,5.5 v1(16.15,5.85) ; v1(39.48,3.395) 39.607,3.522 39.607,3.794 DD1.13
  Bottom Layer w0.16: v1(16.15,5.85) 16.15,5.194 17.059,4.285 35.397,4.285 36.622,3.06 39.145,3.06 v1(39.48,3.395)
RADIO_NCS: DA1.2 DD1.14 | length 27.4
  Top Layer w0.16: DA1.2 15.787,4.5 v1(16.144,4.143) ; v1(40.164,2.95) 40.164,3.644 DD1.14
  Bottom Layer w0.16: v1(16.144,4.143) 16.322,3.965 35.264,3.965 36.489,2.74 39.954,2.74 v1(40.164,2.95)
RADIO_SCK: DA1.3 DD1.11 | length 25.8
  Top Layer w0.16: DA1.3@15.38,4.98 17.247,4.98 v1(17.417,5.15) ; v1(37.925,4.041) 38.581,4.696 39.075,4.696 39.353,4.975 39.374,4.975 DD1.11 DD1.11
  Bottom Layer w0.16: v1(17.417,5.15) 17.532,5.035 35.552,5.035 36.887,3.7 37.584,3.7 v1(37.925,4.041)
SCL: DD1.29 X2.1 | length 25.4
  Top Layer w0.16: X2.1 27.825,11.875 v1(28.1,12.15) ; DD1.29 44.279,9.173 44.279,12.429 v1(44.5,12.65)
  Bottom Layer w0.16: v1(28.1,12.15) 28.781,12.831 44.319,12.831 v1(44.5,12.65)
SDA: DD1.30 X2.2 | length 31.1
  Top Layer w0.16: v1@27.2,11.95 v1(27.2,11.75) 27.2,5 X2.2 ; DD1.30 43.955,9.556 43.955,12.876 44.279,13.2 v1(44.279,13.4)
  Bottom Layer w0.16: v1(27.2,11.75) 27.2,12.421 28.149,13.37 44.249,13.37 v1(44.279,13.4)
SW: DA2.5 L4.2 VD1.A
SW_DN: SW1.2 X1.6 | length 8.2
  Top Layer w0.16: v1(31.1,-17.777) 33.701,-17.777 SW1.2
  Bottom Layer w0.16: X1.6 30.365,-17.042 v1(31.1,-17.777)
SW_L: SW1.3 X1.7 | length 10.5
  Top Layer w0.16: v1(38.55,-12.277) 39.201,-12.277 SW1.3
  Bottom Layer w0.16: X1.7 31.635,-10.754 32.746,-11.865 38.138,-11.865 v1(38.55,-12.277)
SW_PUSH: SW1.5 X1.8 | length 9.8
  Top Layer w0.16: v1(32.5,-19.237) 34.963,-19.237 SW1.5
  Bottom Layer w0.16: X1.8 31.635,-17.326 32.5,-18.191 v1(32.5,-19.237)
SW_R: SW1.4 X1.10 | length 10.8
  Top Layer w0.16: v1(34,-20.4) 36.522,-20.4 SW1.4
  Bottom Layer w0.16: X1.10 32.905,-16.868 34,-17.963 v1(34,-20.4)
SW_UP: SW1.1 X1.9 | length 12
  Top Layer w0.16: v1(40.019,-12.749) 40.956,-13.686 SW1.1
  Bottom Layer w0.16: X1.9 32.905,-10.754 33.696,-11.545 38.815,-11.545 v1(40.019,-12.749)
SWCLK: DD1.24 X3.2 | length 6.7
  Top Layer w0.16: DD1.24 45.37,5.65 v1(45.85,5.65)
  Bottom Layer w0.16: v1(45.85,5.65) 48.05,7.85 X3.2
SWDIO: DD1.23 X3.1 | length 6.6
  Top Layer w0.16: DD1.23 v1(45.363,4.95)
  Bottom Layer w0.16: v1(45.363,4.95) 49.9,4.95 50.45,5.5 X3.1
VBAT: L4.1 RS1.2 TP2.1 | length 5.9
  Bottom Layer w1: L4.1 46.25,-3.55 RS1.2 TP2.1
VCC1: C10.2 C12.2 C17.1 DA2.1 DA2.2 HG1.6 HG1.9 R3.2 R4.2 VD1.K X1.3 X1.4 | length 38.7
  Bottom Layer w0.16: R3.2 R4.2 17.65,-13.5 C10.2@18.65,-12.5
  Bottom Layer w0.2: C10.2@18.65,-12.5 C10.2 18.817,-12.483 HG1.9 ; C12.2 20.917,-12.183 HG1.6
  Bottom Layer w0.3: C10.2 19.65,-12.5 ; C12.2 19.65,-12.5 ; C17.1 28.264,-5.6 25.406,-8.459 25.406,-12.183 22.538,-15.05 20.249,-15.05 19.65,-14.451 19.65,-12.5
  Bottom Layer w0.6: X1.4 X1.3
VCC2: C8.2 C9.2 C18.2 C19.2 C20.2 DA1.7 DA1.15 DA1.18 DD1.1 DD1.5 DD1.17 R7.2 X2.3 X2.4 | length 76.5
  Top Layer w0.16: C9.2 C8.2 10,3.5 10.5,4 DA1.15 11.55,4 11.9,3.65 13.3,3.65 ; DA1.18 13.3,3.65 ; 14.45,7.9 14.15,7.9 13.8,7.55 DA1.7 13.8,6.684 14.134,6.35 14.3,6.35 14.65,6 14.65,4 14.3,3.65 13.3,3.65 ; v3(46.95,10.5) 47,10.45 R7.2
  Top Layer w0.2: C19.2 39.1,9.092 DD1.5 ; C18.2 41.05,9.97 DD1.1 ; DD1.17 v1@42.892,3.179 ; C20.2 v1@42.95,3.121
  Top Layer w0.6: 14.45,7.9 v3(16.55,7.9) ; X2.4 X2.3 v3(29.095,11.395) ; C19.2 v3(40.1,11.4) C18.2 ; v5(46.75,3.644) 46.95,3.844 v3(46.95,10.5)
  Bottom Layer w0.6: v3(16.55,7.9) 16.65,7.8 25.5,7.8 v3(29.095,11.395) v3@40.1,11.395 ; v3(40.1,11.4) 46.05,11.4 v3(46.95,10.5) ; v1(42.85,3.137) 43.377,3.665 46.729,3.665 v5(46.75,3.644)
XC1: C1.1 DA1.10 R1.1 ZQ1.1 | length 10.8
  Top Layer w0.16: C1.1 5.55,11.75 ZQ1.1 8.45,11.75 R1.1 12.3,7.9 DA1.10
XC2: C2.1 DA1.9 R1.2 ZQ1.2 | length 10.9
  Top Layer w0.16: DA1.9 12.8,7.9 R1.2 13.7,8.15 ZQ1.2 19.65,11.75 C2.1
pads on no net: C17.0 DA2.3 DD1.2 DD1.3 DD1.16 DD1.21 DD1.22 DD1.25 DD1.26 DD1.27 DD1.28 DD1.32 GB1.MH HG1.7

## Polygon pours and split planes (outlines as drawn)
GND1 on Top Layer "GND1" (solid, pour order 12): 0.5,-27.5 cw(c0.5,-27) 0,-27 0,-2.5 cw(c0.5,-2.5) 0.5,-2 5.5,-2 cw(c5.5,-2.5) 6,-2.5 6,-4.5 ccw(c6.5,-4.5) 6.5,-5 22,-5 ccw(c22,-4.5) 22.5,-4.5 22.5,-2.5 cw(c23,-2.5) 23,-2 52,-2 cw(c52,-2.5) 52.5,-2.5 52.5,-27 cw(c52,-27) 52,-27.5
GND2 on Top Layer "GND-Radio" (solid, pour order 0): 4.95,1.4 4.95,17.2 51.95,17.2 51.95,1.4
GND1 on Bottom Layer "GND1_1" (solid, pour order 10): -0.45,-27.5 -0.45,-15.5 3.5,-15.5 3.5,-27.5
NetGB1_+ on Bottom Layer "GB_PLUS" (solid, pour order 8): 48.55,-27.5 48.55,-15.5 52.5,-15.5 52.5,-27.5
VCC1 on Bottom Layer "VCC1" (solid, pour order 6): 35.4,-5.95 35.4,-6.45 34.452,-7.398 29.475,-7.398 28.725,-8.148 28.725,-9.402 29.475,-9.402 30.077,-8.8 35.2,-8.8 35.8,-8.2 40.05,-8.2 40.65,-7.6 40.65,-4.85 39.004,-4.85 39,-6.3 38.65,-6.65 36.95,-6.65 36.6,-6.3 36.6,-5.95
SW on Bottom Layer "NetDA2_5" (solid, pour order 4): 39.95,-3.75 40.65,-3.75 41.8,-4.9 41.8,-8.2 43.45,-8.2 43.45,-2.7 43,-2.25 42.207,-2.25 42.007,-2.45 39.95,-2.45
GND1 on Bottom Layer "GND1" (solid, pour order 14): 0.5,-27.5 cw(c0.5,-27) 0,-27 0,-2.5 cw(c0.5,-2.5) 0.5,-2 5.5,-2 cw(c5.5,-2.5) 6,-2.5 6,-4.5 ccw(c6.5,-4.5) 6.5,-5 22,-5 ccw(c22,-4.5) 22.5,-4.5 22.5,-2.5 cw(c23,-2.5) 23,-2 52,-2 cw(c52,-2.5) 52.5,-2.5 52.5,-27 cw(c52,-27) 52,-27.5
GND2 on Bottom Layer "GND-Radio" (solid, pour order 2): 4.2,1.225 4.2,17.2 51.95,17.2 51.95,1.4

## Silkscreen, mask and mechanical layers (free items; w line width, h text height)
Top Solder:
  region: -1,1 4.2,1 4.2,17.6 -1,17.6
Bottom Solder:
  region: 48.55,-27.5 52.5,-27.5 52.5,-15.5 48.55,-15.5
  region: -0.5,-27.5 3.5,-27.5 3.5,-15.5 -0.5,-15.5
Mechanical 4:
  lines w0.15: -1,-27.5 ccw(c0,-27.5) 0,-28.5 ; -1,-2 cw(c0,-2) 0,-1 ccw(c0,0) 0,1 cw(c0,2) -1,2 ; -1,16.6 cw(c0,16.6) 0,17.6 ; 5.5,1 ccw(c5.5,0) 5.5,-1 cw(c5.5,-2.5) 7,-2.5 ; 7,-3 ccw(c8,-3) 8,-4 ; 20.5,-4 ccw(c20.5,-3) 21.5,-3 ; 21.5,-2.5 cw(c23,-2.5) 23,-1 ; 47,-1 ccw(c47,0) 47,1 ; 52.5,-28.5 ccw(c52.5,-27.5) 53.5,-27.5 ; 52.5,17.6 cw(c52.5,16.6) 53.5,16.6 ; 53.5,-2 ccw(c52.5,-2) 52.5,-1 cw(c52.5,0) 52.5,1 ccw(c52.5,2) 53.5,2
  lines w0.16: -1,-27.5 -1,-2 ; -1,2 -1,16.6 ; 0,-28.5 52.5,-28.5 ; 0,17.6 52.5,17.6 ; 5.5,1 47,1 ; 7,-3 7,-2.5 ; 8,-4 20.5,-4 ; 21.5,-3 21.5,-2.5 ; 23,-1 47,-1 ; 53.5,-27.5 53.5,-2 ; 53.5,2 53.5,16.6
Mechanical 14:
  lines w0.15: 27.065,-9.15 27.065,-1

## Text inside footprints (layer, text, board x,y; h text height)
VD1: Mechanical 3 "+" at 41.55,-7.4 h0.8 r180